# KiCad board FF34.kicad_pcb (continued)
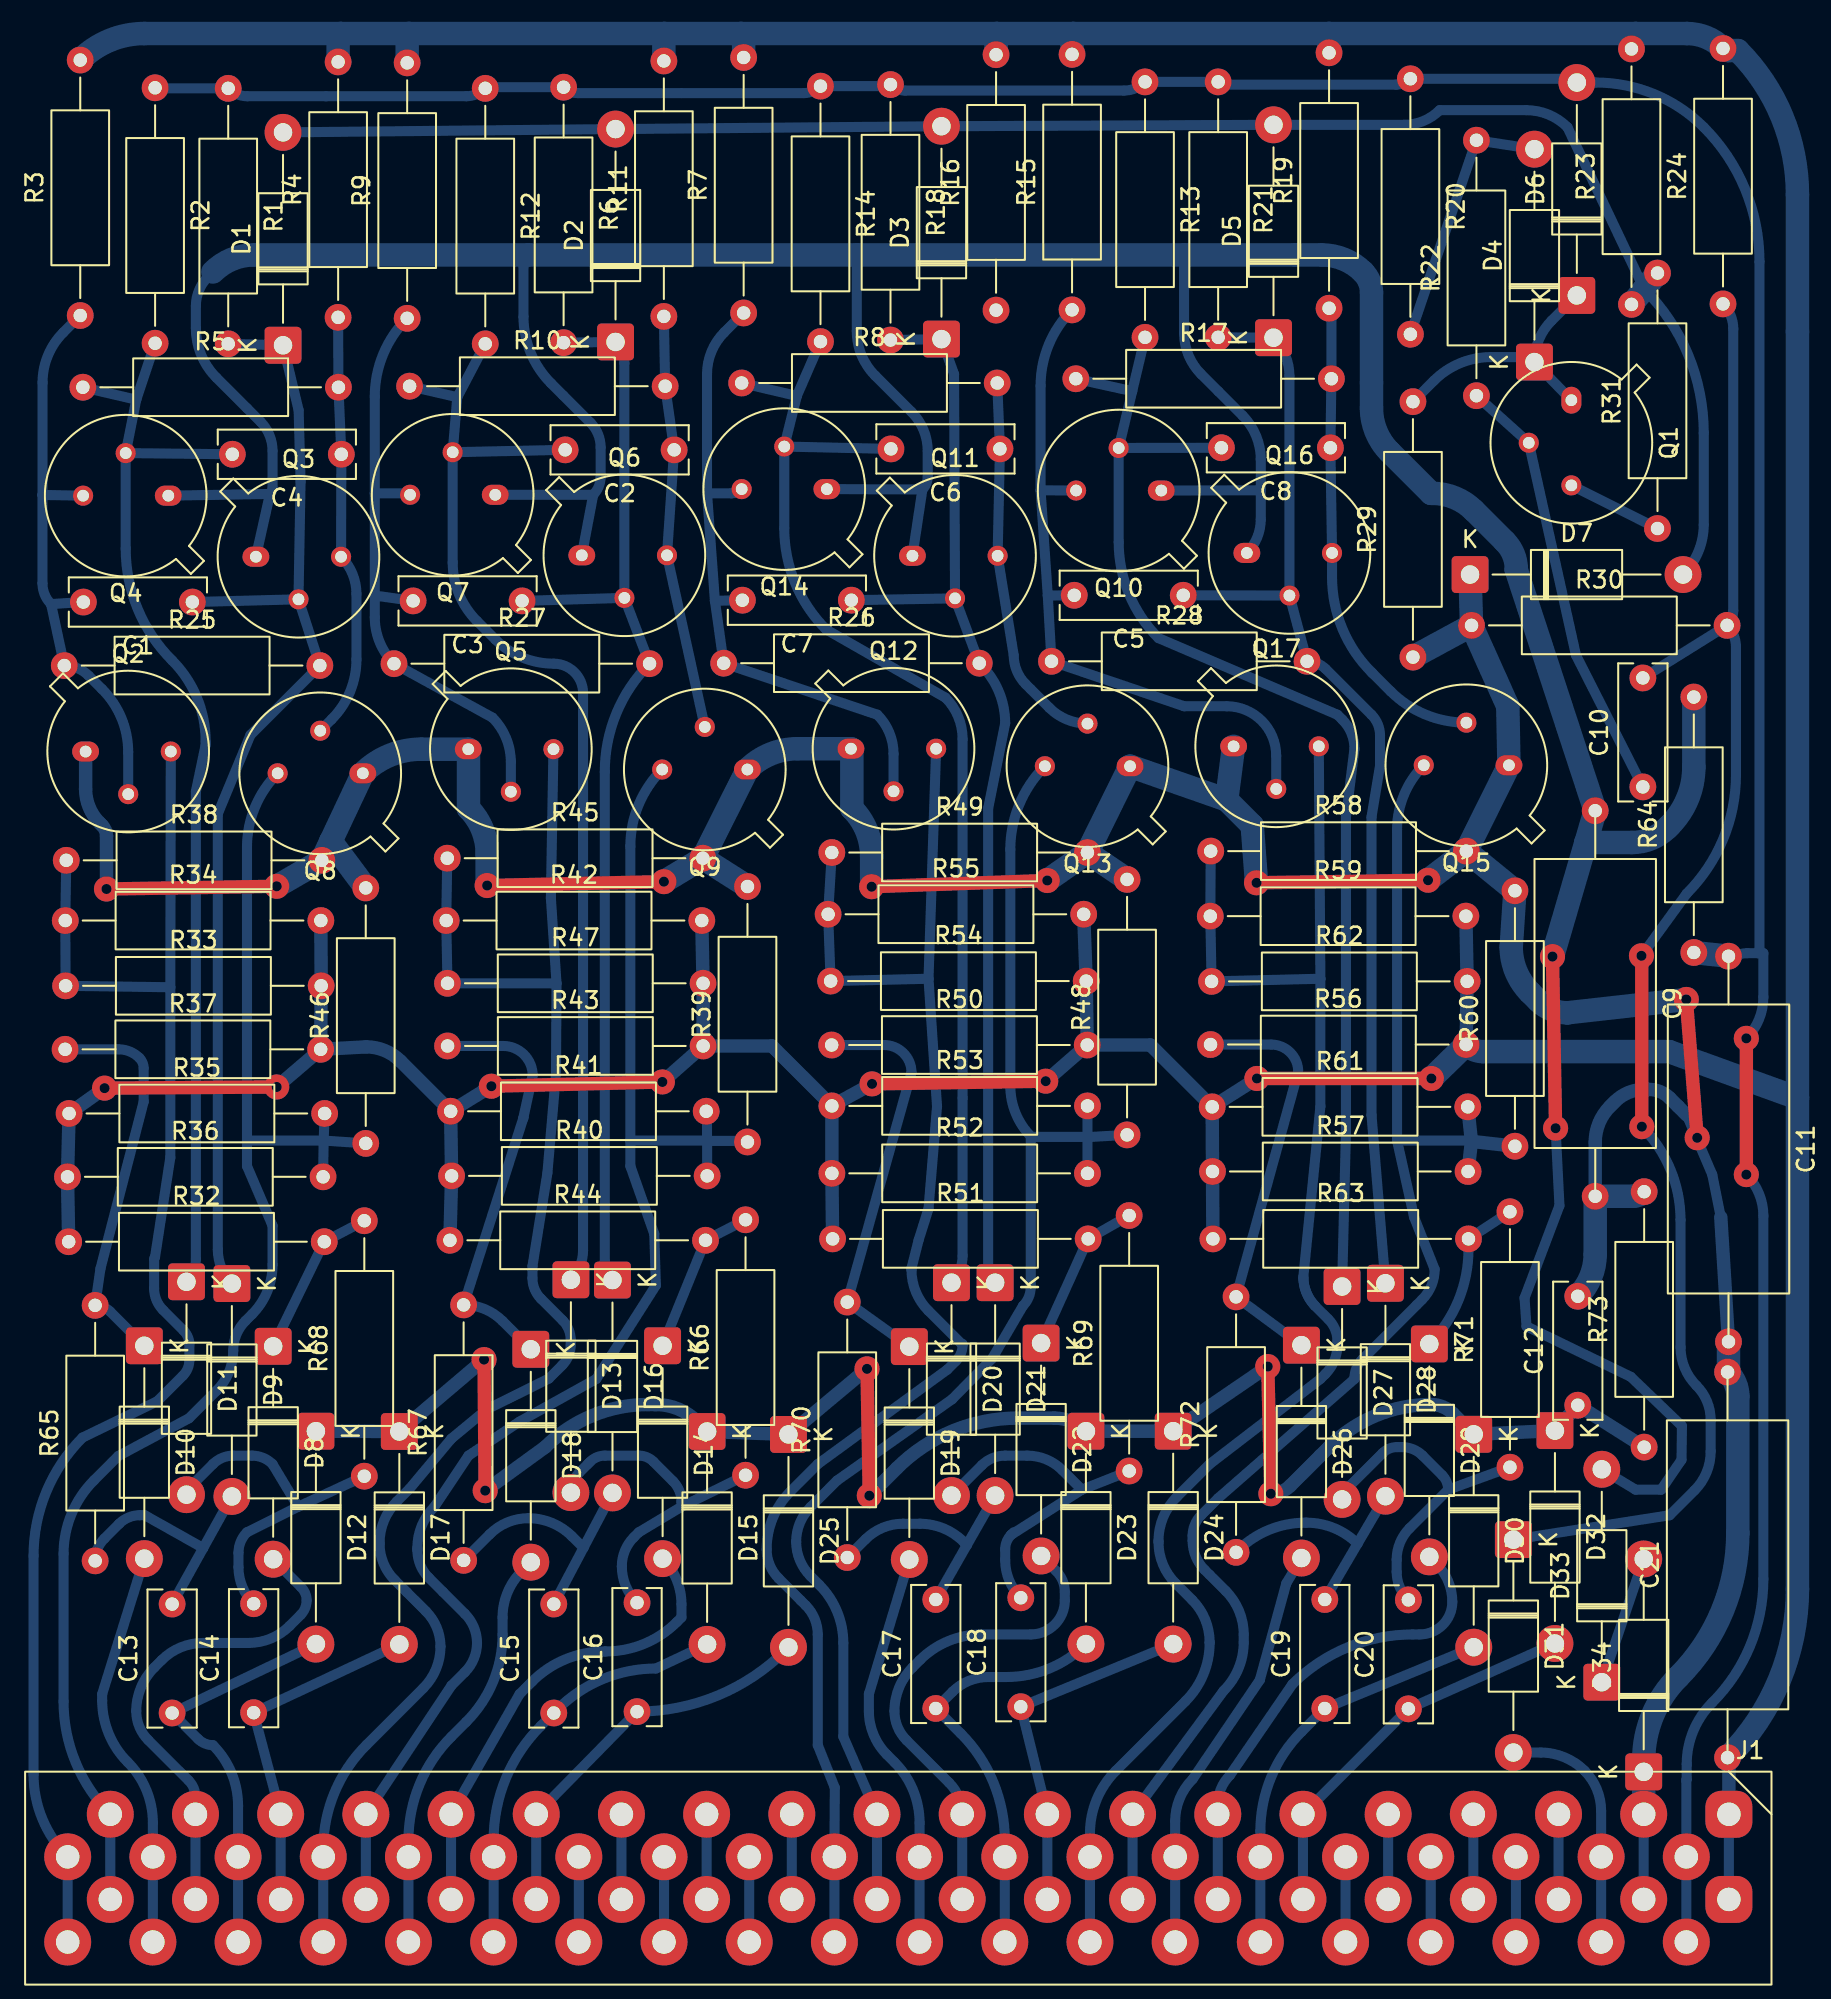
[diagram p0: board, top side]
## Footprints (pads in the part's own frame, mm; a bottom-side part is the same pattern mirrored in y, then rotated)
C_Axial_L17.0mm_D7.0mm_P25.00mm_Horizontal
  round 1.6 hole 0.8: 1(0,0) 2(23,0)
C_Rect_L9.0mm_W2.7mm_P7.50mm_MKT
  round 1.6 hole 0.8: 1(0,0) 2(6.5,0)
D_DO-41_SOD81_P12.70mm_Horizontal
  rrect 2.2x2.2 hole 1.1: 1(0,0)
  round 2.2 hole 1.1: 2(12.7,0)
ELCO 40
  rrect 2.8x2.8 hole 1.4: 1(0,0) 1(0,-5.08)
  round 2.8 hole 1.4: 2(-2.54,-2.54) 2(-2.54,-7.62) 3(-5.08,0) 3(-5.08,-5.08) 4(-7.62,-2.54) 4(-7.62,-7.62) 5(-10.16,0) 5(-10.16,-5.08) 6(-12.7,-2.54) 6(-12.7,-7.62) 7(-15.24,0) 7(-15.24,-5.08) 8(-17.78,-2.54) 8(-17.78,-7.62) 9(-20.32,0) 9(-20.32,-5.08) 10(-22.86,-2.54) 10(-22.86,-7.62) 11(-25.4,0) 11(-25.4,-5.08) 12(-27.94,-2.54) 12(-27.94,-7.62) 13(-30.48,0) 13(-30.48,-5.08) 14(-33.02,-2.54) 14(-33.02,-7.62) 15(-35.56,0) 15(-35.56,-5.08) 16(-38.1,-2.54) 16(-38.1,-7.62) 17(-40.64,0) 17(-40.64,-5.08) 18(-43.18,-2.54) 18(-43.18,-7.62) 19(-45.72,0) 19(-45.72,-5.08) 20(-48.26,-2.54) 20(-48.26,-7.62) 21(-50.8,0) 21(-50.8,-5.08) 22(-53.34,-2.54) 22(-53.34,-7.62) 23(-55.88,0) 23(-55.88,-5.08) 24(-58.42,-2.54) 24(-58.42,-7.62) 25(-60.96,0) 25(-60.96,-5.08) 26(-63.5,-2.54) 26(-63.5,-7.62) 27(-66.04,0) 27(-66.04,-5.08) 28(-68.58,-2.54) 28(-68.58,-7.62) 29(-71.12,0) 29(-71.12,-5.08) 30(-73.66,-2.54) 30(-73.66,-7.62) 31(-76.2,0) 31(-76.2,-5.08) 32(-78.74,-2.54) 32(-78.74,-7.62) 33(-81.28,0) 33(-81.28,-5.08) 34(-83.82,-2.54) 34(-83.82,-7.62) 35(-86.36,0) 35(-86.36,-5.08) 36(-88.9,-2.54) 36(-88.9,-7.62) 37(-91.44,0) 37(-91.44,-5.08) 38(-93.98,-2.54) 38(-93.98,-7.62) 39(-96.52,0) 39(-96.52,-5.08) 40(-99.06,-2.54) 40(-99.06,-7.62)
R_Axial_DIN0309_L9.0mm_D3.2mm_P15.24mm_Horizontal
  round 1.6 hole 0.8: 1(0,0) 2(15.24,0)
TO-5-3
  oval 1.6x1.2 hole 0.7: 1(0,0)
  round 1.2 hole 0.7: 2(2.54,-2.54) 3(5.08,0)

## Nets
+1V35: C9.1 D33.2 Q3.1 Q4.1 Q6.1 Q7.1 Q10.1 Q11.1 Q14.1 Q16.1 R64.2
+6V: C11.1 D6.2 J1.2 R1.1 R2.1 R6.1 R12.1 R13.1 R14.1 R18.1 R20.1 R21.1 R64.1
-12V: C21.1 J1.1 R3.2 R4.2 R7.2 R9.2 R11.2 R15.2 R16.2 R19.2 R23.2 R24.2 R32.1 R33.2 R34.2 R35.1 R36.1 R37.2 R40.1 R41.1 R42.2 R43.2 R44.1 R47.2 R50.2 R51.1 R52.1 R53.1 R54.2 R55.2 R56.2 R57.1 R59.2 R61.1 R62.2 R63.1
GND: C9.2 C11.2 C12.2 C21.2 D7.1 D34.1 J1.3 Q2.1 Q5.1 Q8.1 Q9.1 Q12.1 Q13.1 Q15.1 Q17.1 R29.1 R30.1 R38.2 R39.2 R45.2 R46.2 R48.2 R49.2 R58.2 R60.2 R73.2
/GCLOCK: C12.1 D12.1 D15.1 D17.1 D23.1 D24.1 D25.1 D30.1 D32.1 R73.1
GRESET: D1.2 D2.2 D3.2 D5.2 D7.2 R23.1 R31.2
J1-P4: D31.2 J1.4
J1-P11: C20.1 D32.2 J1.11
J1-P12: C19.1 D30.2 J1.12
J1-P13: D29.2 J1.13
J1-P14: D26.2 J1.14
J1-P15: J1.15 Q15.3 R57.2 R60.1 R61.2
J1-P16: J1.16 Q17.3 R58.1 R59.1 R62.1
J1-P17: C18.1 D24.2 J1.17
J1-P18: C17.1 D23.2 J1.18
J1-P19: D22.2 J1.19
J1-P20: D19.2 J1.20
J1-P21: J1.21 Q13.3 R48.1 R52.2 R53.2
J1-P22: J1.22 Q12.3 R49.1 R54.1 R55.1
J1-P29: C16.1 D25.2 J1.29
J1-P30: C15.1 D15.2 J1.30
J1-P31: D14.2 J1.31
J1-P32: D18.2 J1.32
J1-P33: J1.33 Q9.3 R39.1 R40.2 R41.2
J1-P34: J1.34 Q5.3 R42.1 R45.1 R47.1
J1-P35: C14.1 D17.2 J1.35
J1-P36: C13.1 D12.2 J1.36
J1-P37: D8.2 J1.37
J1-P38: D10.2 J1.38
J1-P39: J1.39 Q8.3 R35.2 R36.2 R46.1
J1-P40: J1.40 Q2.3 R33.1 R34.1 R38.1
Net-(D1-K): C1.1 D1.1 D9.1 Q3.2 R1.2 R25.2
Net-(D4-A): D4.2 R20.2 R22.2
Net-(D4-K): D4.1 D6.1 Q1.1 R29.2
Net-(D8-K): D8.1 R32.2 R68.2
Net-(D9-A): C13.2 D9.2 R65.1
Net-(D10-K): D10.1 R37.1 R65.2
Net-(D11-A): C14.2 D11.2 R68.1
Net-(D11-K): C4.2 D11.1 Q4.2 R2.2 R5.1
Net-(D13-A): C16.2 D13.2 R66.1
Net-(D13-K): C2.2 D13.1 Q7.2 R10.1 R12.2
Net-(D14-K): D14.1 R44.2 R66.2
Net-(D16-A): C15.2 D16.2 R67.1
Net-(D16-K): C3.1 D2.1 D16.1 Q6.2 R6.2 R27.2
Net-(D18-K): D18.1 R43.1 R67.2
Net-(D19-K): D19.1 R50.1 R70.2
Net-(D20-A): C18.2 D20.2 R69.1
Net-(D20-K): C6.2 D20.1 Q14.2 R8.1 R14.2
Net-(D21-A): C17.2 D21.2 R70.1
Net-(D21-K): C7.1 D3.1 D21.1 Q11.2 R18.2 R26.2
Net-(D22-K): D22.1 R51.2 R69.2
Net-(D26-K): D26.1 R56.1 R72.2
Net-(D27-A): C20.2 D27.2 R71.1
Net-(D27-K): C8.2 D27.1 Q10.2 R13.2 R17.1
Net-(D28-A): C19.2 D28.2 R72.1
Net-(D28-K): C5.1 D5.1 D28.1 Q16.2 R21.2 R28.2
Net-(D29-K): D29.1 R63.2 R71.2
Net-(D31-K): C10.2 D31.1 R24.1 R30.2
Net-(D33-K): D33.1 D34.2
Net-(Q1-B): C10.1 Q1.2 R22.1
Net-(Q1-C): Q1.3 R31.1
Net-(Q2-B): C1.2 Q2.2 Q4.3 R3.1 R25.1
Net-(Q3-C): C4.1 Q3.3 Q8.2 R4.1 R5.2
Net-(Q5-B): C3.2 Q5.2 Q7.3 R9.1 R27.1
Net-(Q6-C): C2.1 Q6.3 Q9.2 R10.2 R11.1
Net-(Q10-C): C5.2 Q10.3 Q17.2 R15.1 R28.1
Net-(Q11-C): C6.1 Q11.3 Q13.2 R8.2 R16.1
Net-(Q12-B): C7.2 Q12.2 Q14.3 R7.1 R26.1
Net-(Q15-B): C8.1 Q15.2 Q16.3 R17.2 R19.1

Pads without a net: J1 5 6 7 8 9 10 23 24 25 26 27 28

## Via types
v1: diameter 1.5, hole 0.6, Top to Bottom, 30 vias

## Routing (per net, layer and track width the routed paths; a pad name or vN(x,y) marks a point on that pad's centre or on a via; arc(x,y) is an arc through that point)
+1V35: length 271.7
  Top w0.8: v1(88.93,40.93) v1(88.74,51.17)
  Bottom w0.6: Q14.1 51.17,79.03 ; 51.17,79.03 Q11.1 ; 51.17,79.03 arc(51.4,79.38) 51.49,79.8 51.49,81.33 arc(51.24,82.59) 50.52,83.65 48.36,85.82 arc(47.54,87.04) 47.26,88.48 47.26,93.02 ; 8.86,92.01 8.56,91.71 arc(8.03,90.91) 7.85,89.98 7.85,88.66 arc(8.16,87.06) 9.07,85.7 11.7,83.07 arc(12.23,82.28) 12.42,81.34 12.42,79.13 arc(12.38,78.93) 12.27,78.77 ; 12.27,78.77 Q3.1 ; 12.27,78.77 Q4.1 ; Q7.1 31.54,78.72 ; 31.54,78.72 Q6.1 ; 31.54,78.72 arc(31.87,79.21) 31.98,79.78 31.98,81.55 arc(31.82,82.34) 31.38,83.01 29.03,85.36 arc(27.81,87.19) 27.38,89.34 27.38,92.36 arc(27.45,92.72) 27.66,93.02 ; D33.2 93.7,19.36 95.22,19.36 96.44,21.14 96.46,23.16 93.41,26.1 87.19,29.11 87.08,30.8 89.16,36.31 v1(88.93,40.93) ; 71.35,78.98 71.35,80.83 arc(71.07,82.24) 70.27,83.43 67.79,85.91 arc(67.04,87.04) 66.77,88.36 66.77,93.02 ; 71.35,78.98 Q10.1 ; 71.35,78.98 71.35,77.25 arc(71.13,76.16) Q16.1
  Bottom w1.4: R64.2 97.17,62.47 arc(96.8,60.58) 95.73,58.99 95.58,58.84 arc(94.62,58.2) 93.49,57.97 90.74,57.97 ; 90.74,57.97 C9.1 86.59,74.23 86.59,74.28 arc(86.41,75.17) 85.9,75.93 84.05,77.78 arc(82.92,78.54) 81.59,78.8 81.51,78.8 79.03,81.28 arc(78.23,82.47) 77.95,83.88 77.95,90.78 arc(77.82,91.45) 77.44,92.01 arc(76.32,92.76) 74.99,93.02 11.32,93.02 arc(9.99,92.76) 8.86,92.01 ; 90.74,57.97 v1(88.74,51.17)
+6V: length 209.3
  Top w0.8: v1(100.3,38.16) v1(100.3,46.29)
  Bottom w0.6: J1.2 J1.2 96.72,2.03 arc(96.73,2.07) 96.75,2.09 96.75,2.98 arc(97.14,4.98) 98.27,6.66 arc(100.53,10.04) 101.32,14.02 101.32,35.71 arc(101.05,37.03) v1(100.3,38.16) ; 101,51.37 101.32,51.37 101.32,48.74 arc(101.05,47.41) v1(100.3,46.29) ; 101,51.37 100.36,51.37 arc(99.72,51.24) 99.18,50.88 ; 101,51.37 arc(101.06,51.47) 101.09,51.58 101.09,92.62 arc(100.22,96.96) 97.76,100.64 arc(94.81,102.62) 91.33,103.31 D6.2 arc(89.95,103.47) 89.65,103.53 R20.1 arc(79.88,103.27) 79.43,103.18 69.2,103.18 arc(68.99,103.23) R21.1 R13.1 arc(63.87,102.96) 63.19,102.83 50.13,102.83 arc(49.66,102.92) R18.1 arc(49.17,103.12) 49.05,103.09 R14.1 arc(44.63,102.78) 44.08,102.68 30.63,102.68 arc(30.17,102.77) R6.1 25.27,103.03 arc(25.18,103.01) R12.1 arc(24.58,102.61) 23.97,102.49 10.91,102.49 arc(10.3,102.61) R1.1 5.5,102.96 arc(5.45,102.97) R2.1
  Bottom w1.4: R64.1 C11.1
-12V: length 398.2
  Top w0.8: v1(71.12,43.89) v1(81.52,43.89) ; v1(2.4,43.32) v1(12.67,43.39) ; v1(48.17,43.57) v1(58.52,43.73) ; v1(25.47,43.43) v1(35.66,43.69)
  Bottom w0.6: J1.1 J1.1
  Bottom w0.8: R37.2 R33.2 R34.2 ; R37.2 v1(12.67,43.39) ; R37.2 18.01,45.78 arc(19.11,45.56) 20.04,44.94 R41.1 ; R43.2 42.2,45.83 R53.1 ; R43.2 v1(35.66,43.69) ; R43.2 R47.2 R42.2 ; R53.1 v1(48.17,43.57) ; R53.1 R52.1 R51.1 ; R61.1 v1(71.12,43.89) ; R61.1 R57.1 R63.1 ; R61.1 64.76,45.89 R50.2 ; v1(25.47,43.43) R41.1 ; R41.1 R40.1 R44.1 ; R56.2 R62.2 R59.2 ; R50.2 R54.2 R55.2 ; R50.2 v1(58.52,43.73) ; R32.1 R36.1 R35.1 v1(2.4,43.32) ; J1.1 99.26,3.19 arc(99.24,3.29) C21.1
  Bottom w1.4: 40.36,106.23 35.79,106.23 ; 40.36,106.23 55.6,106.23 ; 40.36,106.23 arc(40.47,106.06) 40.51,105.87 R7.2 ; 35.79,106.23 20.55,106.23 ; 35.79,106.23 arc(35.76,106.19) 35.75,106.15 R11.2 ; R16.2 55.56,106.15 arc(55.57,106.19) 55.6,106.23 ; v1(81.52,43.89) R56.2 arc(84.06,45.61) 84.61,45.5 95.71,45.5 103.35,42.73 ; 103.35,42.73 103.35,96.63 arc(102.43,101.28) 99.79,105.22 99.21,105.22 arc(99.05,105.25) R24.2 arc(97.92,106) 96.76,106.23 93.7,106.23 ; 103.35,42.73 103.35,13.44 arc(102.27,8) C21.1 ; 16.48,106.23 4.77,106.23 arc(2.7,105.82) R3.2 ; 16.48,106.23 20.55,106.23 ; 16.48,106.23 arc(16.37,106.06) 16.33,105.86 R4.2 ; R23.2 93.45,105.64 arc(93.52,105.96) 93.7,106.23 ; R9.2 20.45,105.99 arc(20.47,106.12) 20.55,106.23 ; R19.2 75.42,106.21 arc(75.42,106.22) 75.41,106.23 ; 75.41,106.23 60.17,106.23 ; 75.41,106.23 93.7,106.23 ; 60.17,106.23 55.6,106.23 ; 60.17,106.23 arc(60.11,106.15) 60.09,106.05 R15.2
GND: length 252.4
  Top w0.8: v1(96.72,48.61) v1(97.37,40.36) ; v1(71.09,55.57) v1(81.32,55.72) ; v1(25.21,55.41) v1(35.76,55.64) ; v1(2.52,55.2) v1(12.67,55.36) ; v1(48.14,55.34) v1(58.62,55.71)
  Bottom w0.6: 98.78,35.62 98.27,38.16 96.75,41.72 ; J1.3 J1.3
  Bottom w0.8: C11.2 98.78,35.62 ; Q2.1 1.27,61.16 arc(1.49,60.07) 2.11,59.14 2.26,58.99 arc(2.45,58.7) 2.52,58.36 v1(2.52,55.2) ; C9.2 91.29,40.09 arc(91.52,41.25) 92.17,42.22 92.47,42.52 arc(93.27,43.05) 94.21,43.24 94.5,43.24 arc(95.17,43.11) 95.73,42.73 96.75,41.72
  Bottom w1.4: v1(96.72,48.61) 89.63,47.81 arc(88.7,48) 87.9,48.53 87.4,49.03 arc(86.57,50.27) 86.28,51.73 R60.2 R58.2 ; v1(48.14,55.34) 48.14,57.15 arc(47.84,58.7) 46.96,60 46.96,63.44 arc(46.95,63.51) Q12.1 43.73,63.57 arc(42.11,63.25) Q9.1 R45.2 ; R39.2 R45.2 ; R45.2 v1(35.76,55.64) ; R30.1 86.08,66.1 Q15.1 R58.2 ; R30.1 D7.1 ; R30.1 R29.1 ; 69.31,60.51 70.84,58.99 v1(71.09,55.57) ; 69.31,60.51 Q13.1 R49.2 ; 69.31,60.51 Q17.1 ; R58.2 v1(81.32,55.72) ; v1(25.21,55.41) 25.21,57.32 arc(24.93,58.77) 24.1,60 24.1,63.51 arc(24.1,63.52) Q5.1 21.27,63.54 arc(19.4,63.17) Q8.1 15.9,58.05 ; R49.2 v1(58.62,55.71) ; R49.2 R48.2 ; 15.9,58.05 R38.2 v1(12.67,55.36) ; 15.9,58.05 R46.2 ; C11.2 99.24,26.52 arc(99.22,26.44) C21.2 99.22,26.34 arc(99.64,25.71) 99.79,24.95 99.79,16.77 arc(98.87,12.13) 96.24,8.19 arc(94.72,5.91) 94.18,3.22 D34.1 J1.3 ; C12.2 arc(91.02,32.05) 91.29,33.41 C9.2 93.54,36.87 arc(93.9,36.94) R73.2
(no net): length 61
  Bottom w0.6: 81.48,-2.54 81.48,-7.62 ; 40.84,-2.54 40.84,-7.62 ; 84.02,-5.08 84.02,0 ; 35.76,-2.54 35.76,-7.62 ; 86.56,-2.54 86.56,-7.62 ; 30.68,-2.54 30.68,-7.62 ; 76.4,-2.54 76.4,-7.62 ; 89.1,-5.08 89.1,0 ; 43.38,-5.08 43.38,0 ; 38.3,-5.08 38.3,0 ; 33.22,-5.08 33.22,0 ; 78.94,-5.08 78.94,0
/GCLOCK: length 113.5
  Top w0.8: v1(71.76,26.71) v1(71.95,19.12) ; v1(47.87,26.57) v1(48,19.01) ; v1(25.03,27.13) v1(25.1,19.31)
  Bottom w0.8: v1(71.76,26.71) D24.1 D23.1 arc(60.05,23.43) 59.03,23.64 56.86,23.64 arc(52.96,22.86) 49.64,20.64 v1(48,19.01) ; v1(25.1,19.31) 28.67,21.9 arc(31.49,23.78) 34.81,24.44 35.23,24.44 35.28,24.44 arc(36.61,24.18) 37.74,23.42 D15.1 D25.1 v1(47.87,26.57) ; D12.1 D17.1 v1(25.03,27.13) ; R73.1 C12.1 D32.1 D30.1 82.81,23.91 arc(82.21,24.3) 81.51,24.44 arc(78.22,23.79) 75.44,21.93 73.11,19.6 arc(72.58,19.25) v1(71.95,19.12)
GRESET: length 108.5
  Bottom w0.6: D1.2 D2.2 D3.2 D5.2 79.9,100.79 arc(81.05,101.01) 82.01,101.66 87.18,101.66 arc(88.51,101.4) 89.63,100.64 94.21,90.99 arc(96.84,87.05) 97.76,82.41 97.76,76.94 arc(97.44,75.32) D7.2
  Bottom w1.4: R31.2 R23.1
J1-P4: length 15
  Bottom w0.6: J1.4 J1.4 91.64,0.21 arc(91.38,1.5) 90.65,2.6 arc(89.45,3.4) 88.03,3.68 D31.2
J1-P11: length 23.5
  Bottom w0.6: D32.2 C20.1 J1.11 J1.11
J1-P12: length 24.8
  Bottom w0.6: J1.12 J1.12 71.32,-1.01 arc(71.96,2.2) 73.79,4.93 C19.1 D30.2
J1-P13: length 28.7
  Bottom w0.6: J1.13 J1.13 68.78,0.57 arc(68.97,1.52) 69.51,2.33 73.23,7.76 arc(76.52,9.96) 80.4,10.73 80.82,10.73 arc(82.2,11.3) 82.77,12.68 arc(82.53,13.89) 81.85,14.91 D29.2
J1-P14: length 24.9
  Bottom w0.6: D26.2 72.87,13.78 71.29,8.01 67.28,2.09 arc(66.51,0.94) 66.24,-0.42 J1.14 J1.14
J1-P15: length 88.5
  Bottom w0.6: 79.47,40.19 83.8,40.19 arc(83.86,40.18) 83.91,40.14 ; 79.47,40.19 79.47,58.74 arc(79.89,60.82) Q15.3 ; 79.47,40.19 80.49,35.62 81.72,32.51 arc(81.52,31.53) 80.97,30.7 77.4,27.14 arc(77.06,26.62) 76.93,26.02 76.93,25.97 68.81,18.86 67.79,17.84 arc(67.41,17.28) 67.28,16.61 67.28,16.32 arc(67.47,15.38) 68,14.58 69.25,13.33 arc(70.05,12.14) 70.33,10.73 70.33,10.26 arc(70.02,8.7) 69.13,7.37 J1.15 J1.15
  Bottom w0.8: R60.1 83.91,40.14 ; 83.91,40.14 R61.2 ; 83.91,40.14 R57.2
J1-P16: length 94.4
  Bottom w0.6: 74.9,49.84 74.9,42.22 73.89,32.06 73.89,31.99 73.89,31.92 73.9,31.78 73.92,31.63 73.95,31.49 73.99,31.35 74.04,31.21 74.09,31.07 74.15,30.94 74.22,30.81 74.3,30.69 74.38,30.57 74.47,30.45 74.57,30.34 75.37,29.54 arc(75.78,28.93) 75.92,28.22 75.92,28 arc(75.73,27.06) 75.2,26.27 74.9,25.97 68.3,20.89 66.33,18.92 arc(65.53,17.72) 65.25,16.32 65.25,16.23 arc(65.51,14.9) 66.27,13.78 67.25,12.79 arc(68.03,11.63) 68.3,10.27 68.3,10.22 arc(67.92,8.34) 66.86,6.75 62.71,2.6 arc(61.56,0.89) 61.16,-1.14 J1.16 J1.16 ; 74.9,49.84 R62.1 R59.1 R58.1 ; 74.9,49.84 Q17.3
J1-P17: length 21.5
  Bottom w0.6: D24.2 C18.1 J1.17 J1.17
J1-P18: length 25.4
  Bottom w0.6: J1.18 J1.18 56.08,-1.52 arc(55.4,1.91) 53.45,4.83 C17.1 52.96,7.31 arc(53.94,7.96) 55.09,8.19 56.18,8.19 arc(58.74,8.7) D23.2
J1-P19: length 29.6
  Bottom w0.6: J1.19 J1.19 arc(53.34,1.02) 52.76,1.88 50.22,4.42 arc(49.69,5.22) 49.5,6.16 arc(49.78,7.56) 50.58,8.76 51.03,9.2 arc(52.71,10.33) 54.71,10.73 57.63,10.73 arc(59.07,11.32) 59.66,12.76 59.66,13.27 arc(59.53,13.94) 59.15,14.51 D22.2
J1-P20: length 24
  Bottom w0.6: J1.20 J1.20 51,-0.51 arc(50.61,1.45) 49.5,3.11 49.06,3.55 arc(48.26,4.75) 47.98,6.16 47.98,7.17 D19.2
J1-P21: length 85.5
  Bottom w0.6: 57.63,40.45 57.63,31.45 arc(57.51,30.84) 57.17,30.33 55.33,27.19 52.95,24.76 46.08,19.91 44.49,18.32 arc(43.86,17.38) 43.64,16.26 arc(43.86,15.16) 44.49,14.22 45.02,13.69 arc(46.08,12.1) 46.45,10.22 46.45,4.63 J1.21 J1.21 ; R53.2 61.01,40.4 ; 61.01,40.4 R52.2 ; 61.01,40.4 R48.1 ; 61.01,40.4 arc(61,40.41) 60.98,40.41 57.67,40.41 arc(56.74,41.81) 56.41,43.45 56.41,57.55 arc(56.95,60.24) Q13.3
J1-P22: length 92.6
  Bottom w0.6: J1.22 J1.22 45.95,1.58 44.93,4.12 44.93,10.73 arc(44.74,11.67) 44.21,12.46 42.6,14.07 arc(42.07,14.87) 41.88,15.81 arc(42.26,17.69) 43.32,19.28 44.93,20.89 52.65,26.52 53.17,27.05 arc(53.46,27.48) 53.57,28 53.57,28.05 arc(53.52,28.06) 53.48,28.08 51.53,30.03 arc(50.78,31.16) 50.52,32.48 50.52,32.57 50.95,34.26 51.53,36.13 52.04,42.22 51.53,49.84 ; 51.53,49.84 Q12.3 ; 51.53,49.84 R54.1 R55.1 R49.1
J1-P29: length 23.7
  Bottom w0.6: J1.29 J1.29 C16.1 arc(38.95,7.08) 43.02,9.8 D25.2
J1-P30: length 24.9
  Bottom w0.6: J1.30 J1.30 25.6,-1.52 arc(26.33,2.15) 28.41,5.27 C15.1 29.42,6.27 arc(32.11,8.06) 35.28,8.7 D15.2
J1-P31: length 28.2
  Bottom w0.6: J1.31 J1.31 27.15,7.17 27.89,7.92 arc(29.88,9.25) 32.23,9.71 32.28,9.71 arc(34.58,10.17) 36.53,11.47 36.8,11.74 36.8,12.53 arc(36.51,14) D14.2
J1-P32: length 24.8
  Bottom w0.6: D18.2 27.27,14.49 arc(26.43,13.23) 26.13,11.74 26.13,10.73 arc(25.57,7.91) 23.98,5.52 23.09,4.63 arc(21.19,1.79) 20.52,-1.56 J1.32 J1.32
J1-P33: length 88.6
  Bottom w0.6: 33.75,40.19 33.75,57.74 arc(34.25,60.22) Q9.3 ; 33.75,40.19 33.75,38.67 35.18,34.62 35.28,31.56 31.72,25.97 27.15,23.43 24.1,21.4 22.07,18.35 arc(21.32,17.22) 21.05,15.9 21.05,15.81 21.05,15.76 arc(21.23,14.87) 21.74,14.11 23.89,11.95 arc(24.42,11.16) 24.61,10.22 arc(24.42,9.28) 23.89,8.49 23.09,7.68 J1.33 J1.33 ; 33.75,40.19 38.33,40.19 ; 38.33,40.19 38.33,41.82 arc(38.31,41.89) R41.2 ; 38.33,40.19 arc(38.33,40.18) 38.33,40.17 ; R40.2 38.33,40.17 ; 38.33,40.17 40.58,40.17 arc(40.67,40.15) R39.1
J1-P34: length 94.9
  Bottom w0.6: J1.34 J1.34 15.44,-2.07 arc(16.11,1.28) 18.01,4.12 21.4,7.52 arc(22.17,8.66) 22.43,10.01 arc(22.21,11.15) 21.56,12.11 19.7,13.97 arc(19.04,14.97) 18.8,16.15 18.8,16.18 arc(19.07,17.52) 19.83,18.66 20.59,19.42 23.09,22.41 25.19,24.15 28.89,25.99 29.7,26.8 arc(30.07,27.35) 30.2,28 30.2,28.3 arc(30.07,28.93) 29.71,29.47 28.42,30.76 arc(28.05,31.32) 27.92,31.97 27.92,32.71 28.81,38.27 29.32,44.17 29.35,49.57 ; 29.35,49.57 29.02,54.66 Q5.3 ; 29.35,49.57 R47.1 R42.1 R45.1
J1-P35: length 20.9
  Bottom w0.6: D17.2 C14.1 J1.35 J1.35
J1-P36: length 24.8
  Bottom w0.6: J1.36 J1.36 10.36,0.5 arc(9.97,2.46) 8.86,4.12 arc(8.39,4.22) 7.98,4.49 C13.1 D12.2
J1-P37: length 29.3
  Bottom w0.6: J1.37 J1.37 7.82,1.02 arc(7.71,1.56) 7.41,2.03 5.01,4.42 arc(4.48,5.22) 4.29,6.16 arc(4.57,7.56) 5.37,8.76 5.81,9.2 arc(6.94,9.96) 8.27,10.22 10.98,10.22 arc(12.31,10.48) 13.43,11.24 14.09,11.89 arc(14.36,12.29) 14.45,12.76 arc(14.37,13.18) 14.13,13.54 D8.2
J1-P38: length 24.1
  Bottom w0.6: J1.38 J1.38 5.28,-0.51 arc(4.89,1.45) 3.78,3.11 arc(2.65,4.8) 2.26,6.79 2.26,7.17 D10.2
J1-P39: length 84.8
  Bottom w0.6: 10.89,40.19 15.47,40.19 ; 10.89,40.19 10.89,38.67 12.42,35.11 12.42,32.79 arc(12.1,31.18) 11.19,29.82 10.81,29.44 arc(10.26,28.62) 10.07,27.66 arc(9.82,26.37) 9.08,25.27 7.44,23.62 3.22,21.37 1.78,19.93 arc(0.43,17.91) -0.04,15.53 -0.04,6.73 arc(0.68,3.09) J1.39 J1.39 ; 10.89,40.19 10.89,57.69 arc(11.37,60.08) Q8.3 ; 15.47,40.19 R46.1 ; 15.47,40.19 R36.2 ; 15.47,40.19 R35.2
J1-P40: length 90.4
  Bottom w0.6: 6.32,49.34 R33.1 R34.1 R38.1 ; 6.32,49.34 6.32,39.18 5.41,33.25 arc(5.37,33.19) 5.36,33.12 5.36,31.37 arc(5.5,30.67) 5.89,30.08 7.12,28.85 arc(7.37,28.47) 7.46,28.03 7.46,27.1 arc(7.36,26.59) 7.07,26.17 5.55,24.64 1.09,22.47 arc(-1.07,19.24) -1.83,15.42 -1.83,2.38 arc(-1.31,-0.28) J1.40 J1.40 ; 6.32,49.34 Q2.3
Net-(D1-K): length 68.2
  Bottom w0.6: Q3.2 14.09,79.51 13.97,83.76 D1.1 R1.2 ; Q3.2 R25.2 11.1,64.39 9.15,59.69 9.15,33.69 arc(9.37,32.59) D9.1 ; Q3.2 C1.1
Net-(D4-A): length 15.7
  Bottom w0.6: R20.2 R22.2 D4.2
Net-(D4-K): length 16.3
  Bottom w0.6: R29.2 81.67,85.52 arc(83.23,86.56) 85.06,86.93 86.95,86.93 arc(87.34,86.85) D4.1 ; D6.1 88.69,89.1 arc(87.93,87.97) D4.1 ; D4.1 Q1.1
Net-(D8-K): length 9.6
  Bottom w0.6: R68.2 R32.2 D8.1
Net-(D9-A): length 15.7
  Bottom w0.6: D9.2 8.28,15.88 ; 8.28,15.88 C13.2 ; 8.28,15.88 4.8,17.84 4.5,17.84 arc(3.84,17.71) 3.27,17.33 2.39,16.45 arc(1.98,15.84) R65.1
Net-(D10-K): length 23.6
  Bottom w0.6: R37.1 3.24,45.63 arc(3.91,45.5) 4.48,45.12 arc(4.67,44.84) 4.73,44.51 4.73,42.51 2.16,32.56 R65.2 arc(2.32,30.26) 2.73,29.99 D10.1
Net-(D11-A): length 21.6
  Bottom w0.6: 13.94,18.35 12.42,20.89 arc(11.86,21.26) 11.19,21.4 10.09,21.4 arc(9.42,21.26) 8.86,20.89 7.46,19.49 arc(7.33,19.29) D11.2 ; 13.94,18.35 10.89,16.82 arc(10.52,16.26) 10.39,15.6 10.39,14.74 arc(10.62,13.56) C14.2 ; 13.94,18.35 R68.1
Net-(D11-K): length 67.3
  Bottom w0.6: R5.1 4.29,84.39 ; 4.29,84.39 R2.2 ; 4.29,84.39 Q4.2 ; Q4.2 3.66,75.51 arc(4.38,71.9) 6.42,68.84 arc(7.91,66.62) 8.43,64 8.43,63.8 7.85,61.02 7.85,33.12 arc(7.7,32.39) D11.1 ; Q4.2 C4.2
Net-(D13-A): length 21.5
  Bottom w0.6: 36.8,18.35 34.26,16.82 33.96,16.53 arc(33.43,15.73) 33.25,14.79 arc(33.48,13.63) 34.14,12.64 C16.2 ; 36.8,18.35 36.8,18.65 arc(36.67,19.31) 36.29,19.87 35.13,21.04 arc(34.73,21.3) 34.26,21.4 32.23,21.4 arc(31.76,21.3) 31.36,21.04 30.7,20.37 arc(30.34,19.83) D13.2 ; 36.8,18.35 R66.1
Net-(D13-K): length 70.3
  Bottom w0.6: 23.43,84.54 R10.1 ; 23.43,84.54 Q7.2 ; 23.43,84.54 R12.2 ; Q7.2 C2.2 ; Q7.2 23.16,74.68 arc(23.54,72.79) 24.61,71.18 25.71,70.08 arc(27.3,69.01) 29.18,68.64 arc(30.42,68.13) 30.93,66.89 30.93,33.64 arc(30.75,32.69) D13.1
Net-(D14-K): length 9.5
  Bottom w0.6: D14.1 R44.2 R66.2
Net-(D16-A): length 16.1
  Bottom w0.6: R67.1 25.38,16.71 arc(26.43,17.41) 27.67,17.66 arc(29.08,17.38) 30.27,16.59 30.96,15.9 ; C15.2 30.96,15.9 ; 30.96,15.9 D16.2
Net-(D16-K): length 66.4
  Bottom w0.6: Q6.2 R27.2 arc(32.92,65.68) 32.23,62.2 32.23,32.98 arc(32.35,32.38) D16.1 ; Q6.2 33.4,86.56 arc(33.26,87.25) D2.1 R6.2 ; Q6.2 C3.1
Net-(D18-K): length 25.4
  Bottom w0.6: 27.36,41.5 27.93,44.08 arc(27.41,45.32) 26.17,45.83 R43.1 ; 27.36,41.5 R67.2 arc(25.07,30.14) 26.13,29.43 D18.1 ; 27.36,41.5 27.39,41.6
Net-(D19-K): length 24.5
  Bottom w0.6: R50.1 48.88,45.89 arc(50.04,45.41) 50.52,44.26 R70.2 D19.1
Net-(D20-A): length 21.7
  Bottom w0.6: 60.68,19.36 59.51,20.53 arc(58.55,21.17) 57.42,21.4 56.11,21.4 arc(55.35,21.25) 54.71,20.82 D20.2 ; 60.68,19.36 R69.1 ; 60.68,19.36 56.47,16.68 ; 56.47,16.68 56.61,16.82 ; 56.47,16.68 arc(56.2,16.28) 56.11,15.81 56.11,15.16 arc(56.35,13.95) C18.2
Net-(D20-K): length 71.5
  Bottom w0.6: Q14.2 42.93,76.72 arc(43.58,73.45) 45.44,70.67 52.55,66.61 arc(53.3,65.48) 53.57,64.16 53.57,33.31 arc(53.39,32.45) D20.1 ; Q14.2 C6.2 ; Q14.2 43.68,84.61 ; R8.1 43.68,84.61 ; 43.68,84.61 R14.2
Net-(D21-A): length 15.3
  Bottom w0.6: R70.1 47.78,16.41 arc(48.8,17.09) 50.01,17.33 51.03,17.33 arc(52.43,17.05) 53.63,16.25 53.82,16.06 ; 53.82,16.06 D21.2 ; 53.82,16.06 C17.2
Net-(D21-K): length 66.5
  Bottom w0.6: R18.2 D3.1 53.06,85.91 Q11.2 ; C7.1 Q11.2 ; Q11.2 R26.2 54.66,68.56 arc(55.73,66.97) 56.11,65.08 55.09,60 55.09,32.72 arc(55.2,32.17) D21.1
Net-(D22-K): length 9.6
  Bottom w0.6: R69.2 R51.2 D22.1
Net-(D26-K): length 24.9
  Bottom w0.6: R56.1 71.96,45.92 arc(73.11,45.44) 73.58,44.3 R72.2 D26.1
Net-(D27-A): length 20.8
  Bottom w0.6: C20.2 80.14,12.8 arc(79.63,13.57) 79.45,14.46 79.45,15.19 arc(79.65,16.21) 80.23,17.07 82.52,19.36 ; 82.52,19.36 R71.1 ; 82.52,19.36 arc(82.43,19.83) 82.16,20.23 81,21.4 arc(80.44,21.77) 79.77,21.9 79.47,21.9 arc(79,21.81) 78.61,21.54 76.44,19.38 arc(76.26,19.11) D27.2
Net-(D27-K): length 74.4
  Bottom w0.6: Q10.2 62.87,75.9 arc(63.49,72.8) 65.25,70.16 75.92,65.59 76.22,65.29 arc(76.75,64.5) 76.93,63.56 76.43,59.5 76.43,40.7 D27.1 ; Q10.2 C8.2 ; Q10.2 63.68,84.9 ; 63.68,84.9 R13.2 ; 63.68,84.9 R17.1
Net-(D28-A): length 15.2
  Bottom w0.6: 77.12,16.14 C19.2 ; 77.12,16.14 D28.2 ; 77.12,16.14 arc(75.72,17.07) 74.08,17.4 74.01,17.4 arc(71.82,16.96) 69.97,15.72 R72.1
Net-(D28-K): length 68.6
  Bottom w0.6: Q16.2 R28.2 arc(74.71,68.66) 75.22,68.32 77.95,65.59 arc(78.33,65.03) 78.46,64.37 78.46,62.54 77.95,59.5 77.95,41.72 D28.1 ; Q16.2 73.06,85.79 arc(72.81,87.03) D5.1 R21.2 ; Q16.2 C5.1
Net-(D29-K): length 9.8
  Bottom w0.6: R71.2 R63.2 83.73,34.28 83.73,33.69 arc(83.13,30.64) D29.1
Net-(D31-K): length 91.7
  Top w0.8: v1(94.07,41.02) 94.07,51.16 arc(94.06,51.19) v1(94.05,51.21)
  Bottom w0.6: C10.2 R30.2 ; R30.2 arc(99.55,70.34) 99.68,69.65 99.68,62.02 arc(98.92,58.18) 96.75,54.92 v1(94.05,51.21) ; R30.2 arc(99.43,71.33) 99.52,71.81 99.52,88.63 arc(99.36,89.42) R24.1 ; D31.1 95.73,17.84 97.22,19.33 arc(97.93,20.39) 98.17,21.64 98.17,23.53 arc(97.95,24.64) 97.33,25.57 arc(96.63,26.63) 96.38,27.87 96.38,35.45 arc(95.78,38.46) v1(94.07,41.02)
Net-(D33-K): length 7.8
  Bottom w0.6: D34.2 D33.1
Net-(Q1-B): length 26
  Bottom w0.6: C10.1 90.14,69.15 Q1.2 R22.1
Net-(Q1-C): length 5.7
  Bottom w0.6: Q1.3 R31.1
Net-(Q2-B): length 35.6
  Bottom w0.6: C1.2 -0.79,72.2 ; -0.79,72.2 R25.1 arc(0.78,68.37) 1.45,67.93 2.26,67.12 arc(3.41,65.4) 3.81,63.37 Q2.2 ; -0.79,72.2 arc(-1.17,72.76) -1.3,73.43 -1.3,78.71 ; R3.1 -0.06,88.4 arc(-0.97,87.03) -1.3,85.4 -1.3,78.71 arc(-1.3,78.71) -1.3,78.71 ; -1.3,78.71 Q4.3
Net-(Q3-C): length 25.6
  Bottom w0.6: R4.1 R5.2 C4.1 Q3.3 arc(17.18,74) 17.42,72.8 17.42,68.9 arc(17.04,66.96) 15.94,65.32 Q8.2
Net-(Q5-B): length 37.3
  Bottom w0.6: 18.51,72.7 18.51,78.8 ; 18.51,72.7 18.51,71.41 arc(18.81,69.91) R27.1 25.53,65.42 arc(26.34,64.21) 26.63,62.77 Q5.2 ; 18.51,72.7 C3.2 ; 18.51,78.8 18.51,84.58 arc(19.02,87.1) R9.1 ; 18.51,78.8 20.41,78.8 arc(20.52,78.78) Q7.3
Net-(Q6-C): length 24.8
  Bottom w0.6: Q9.2 Q6.3 C2.1 R10.2 R11.1
Net-(Q10-C): length 42.7
  Bottom w0.6: 58.22,78.98 58.22,85.22 arc(58.7,87.67) R15.1 ; 58.22,78.98 58.65,72.7 ; 58.22,78.98 Q10.3 ; 58.65,72.7 R28.1 66.77,66.1 69.31,66.1 arc(71.4,65.24) 72.27,63.15 Q17.2 ; 58.65,72.7 C5.2
Net-(Q11-C): length 22.8
  Bottom w0.6: R8.2 C6.1 Q11.3 56.61,69.15 arc(56.8,68.21) 57.33,67.41 58.74,66 arc(59.78,65.31) Q13.2
Net-(Q12-B): length 40
  Bottom w0.6: R7.1 39.36,88.42 arc(38.6,87.27) 38.33,85.91 38.33,78.8 ; 38.33,78.8 39.78,78.8 arc(40.11,78.87) Q14.3 ; 38.33,78.8 38.8,72.39 ; C7.2 38.8,72.39 ; 38.8,72.39 R26.1 48.49,65.59 arc(49.2,64.53) 49.45,63.27 Q12.2
Net-(Q15-B): length 29
  Bottom w0.6: Q15.2 arc(81.16,65.61) 79.09,66.99 78.02,68.06 77.95,68.13 arc(76.21,70.74) 75.6,73.81 Q16.3 C8.1 R17.2 75.56,89.51 arc(75.52,89.69) R19.1
